# KiCad board FC_V5b.kicad_pcb (continued)
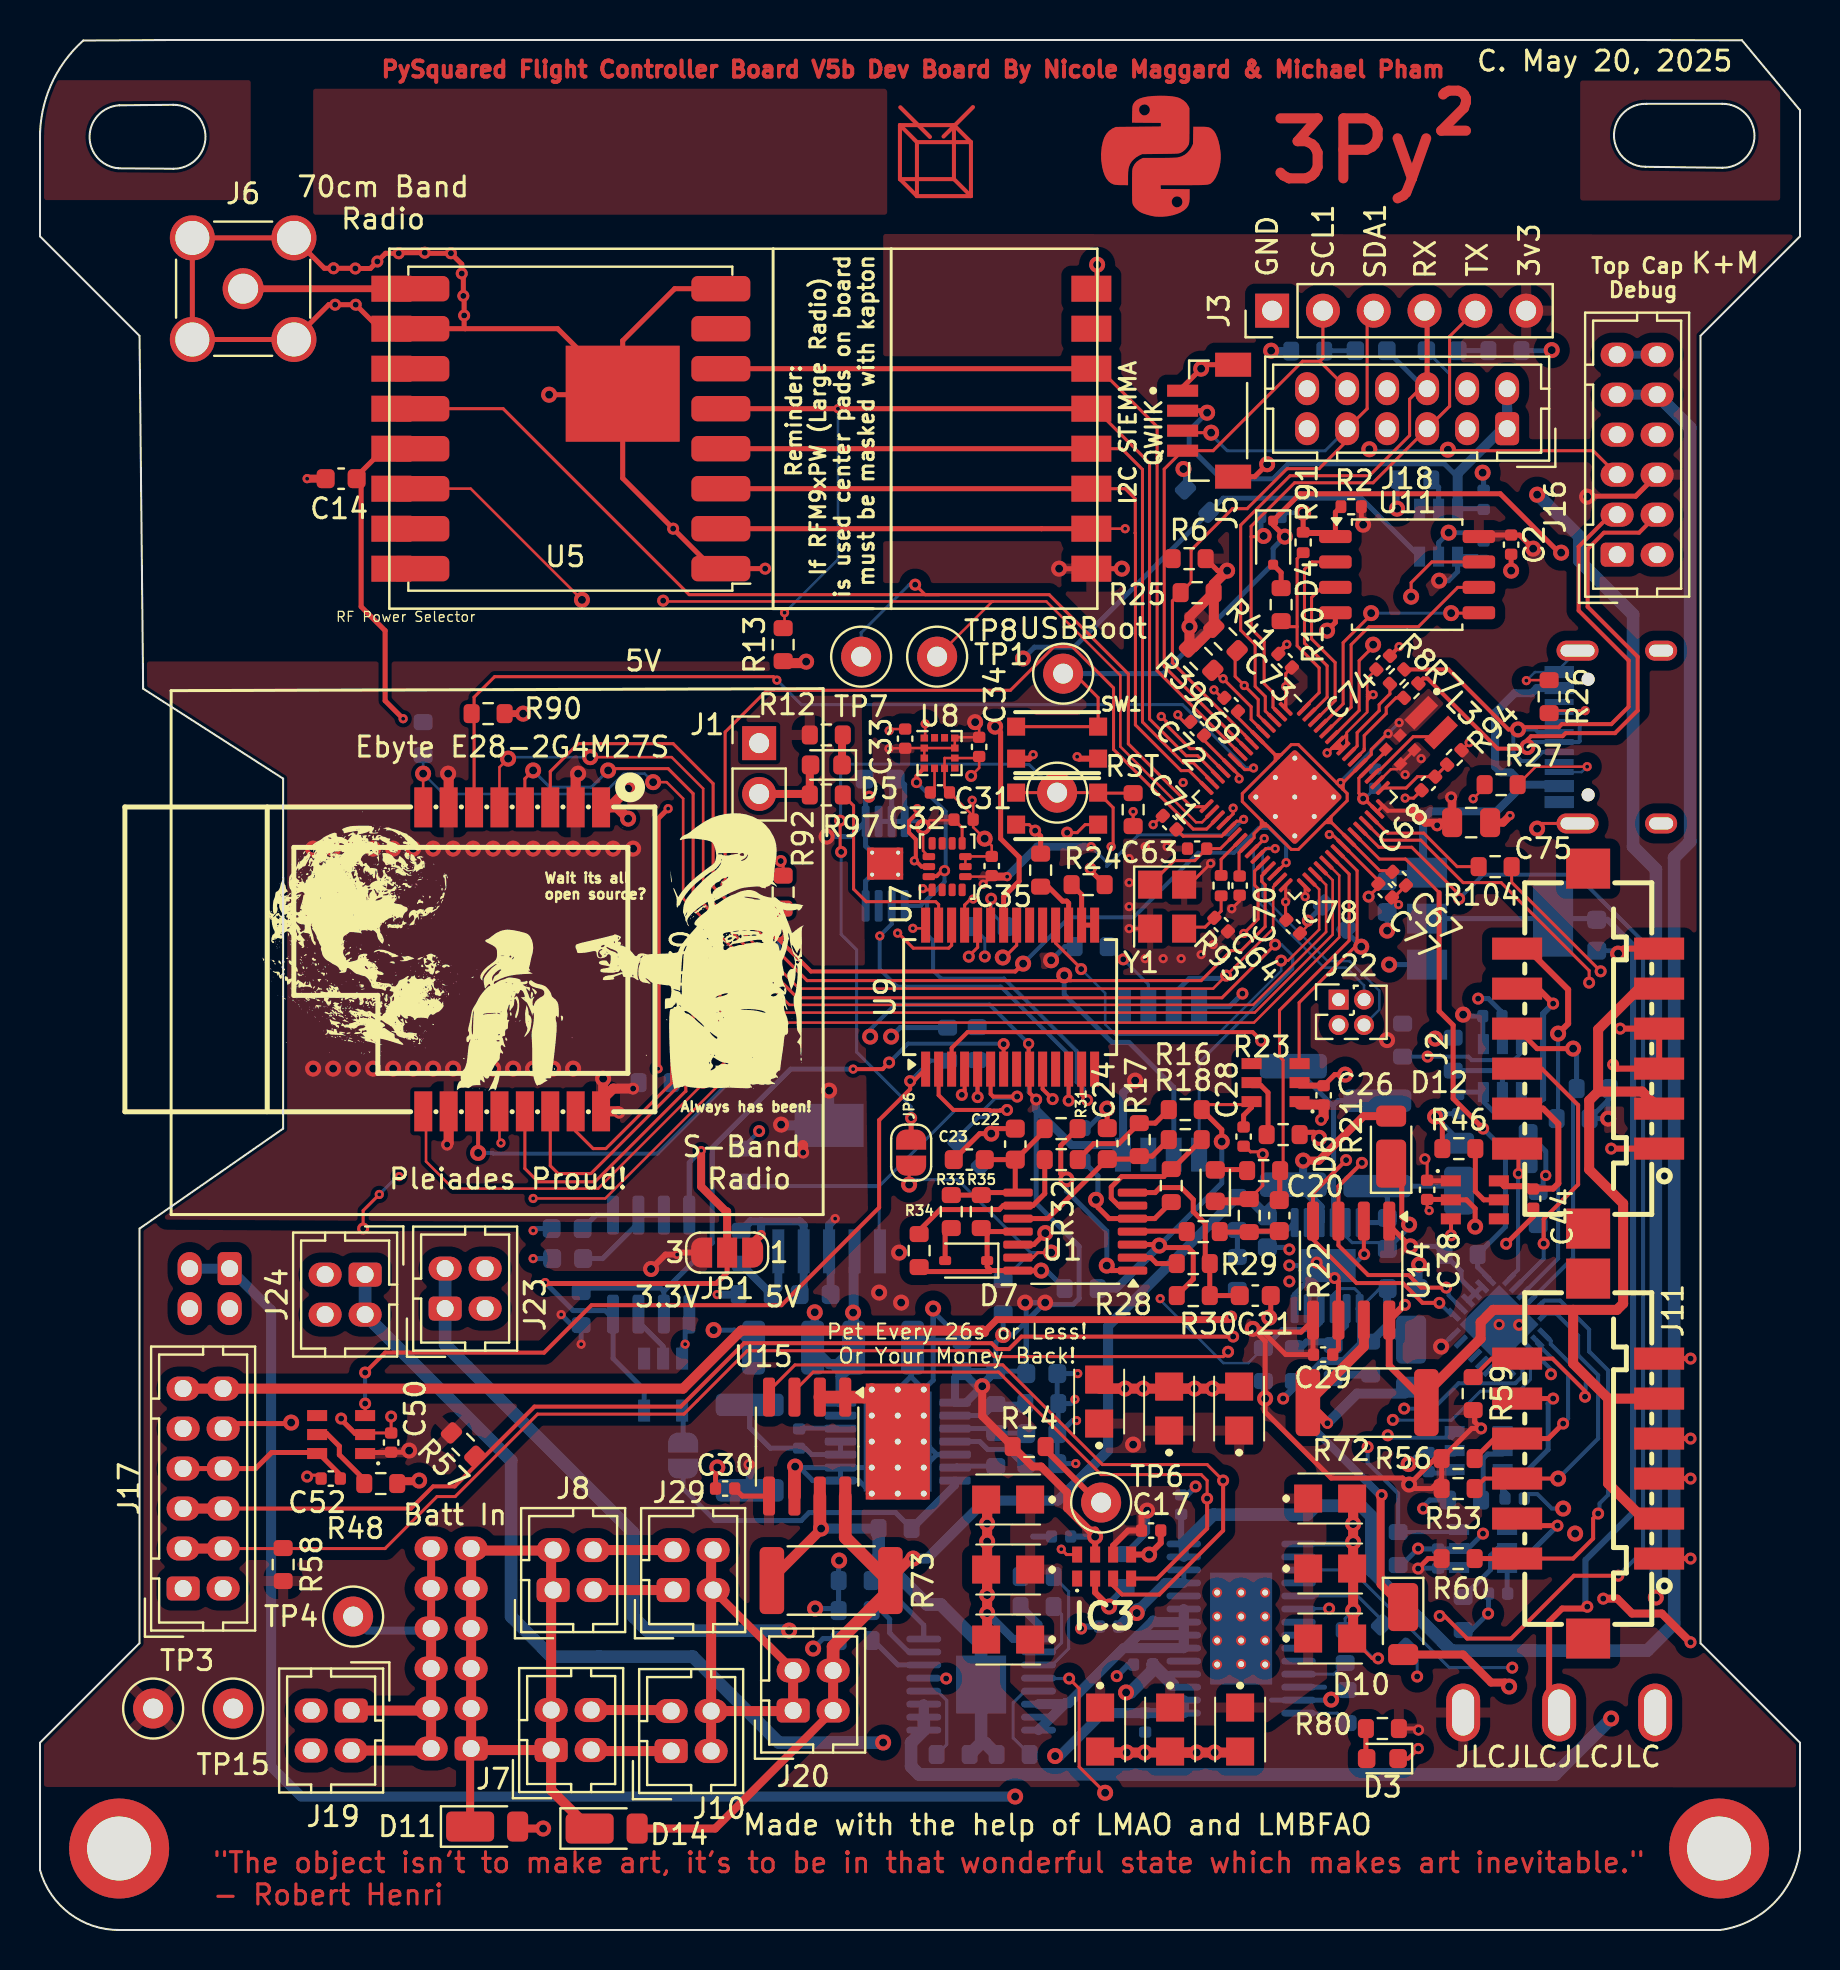
[diagram p0: board, top side]
## Routing (per net, layer and track width the routed paths; a pad name or vN(x,y) marks a point on that pad's centre or on a via; arc(x,y) is an arc through that point) (continued)
  Bottom w0.5: 73.36,76.07 J18.1 ; 73.36,76.07 73.36,75.3 70.88,72.83 U29.6 ; 73.36,76.07 J18.2
PAYLOAD_PWR_ENABLE: length 39.1
  Top w0.25: U9.22 48.18,51.67 48.96,52.45 48.96,53.65 48.03,54.57 48.03,59.9 v1(47.76,60.17)
  In1.Cu w0.25: v1(49.15,63.58) 47.76,62.18 v1(47.76,60.17)
  Bottom w0.25: U29.3 66.06,71.6 59.16,71.6 51.71,64.15 49.72,64.15 v1(49.15,63.58)
READONLY: length 10.5
  Top w0.152: R97.2 40.68,56.22 40.68,52.05 41.31,51.42 44.79,51.42 44.93,51.28 U9.27
RF1_ANT: length 8.8
  Top w0.3: U5.9 17.57,82.07 U4.1
  Top w0.342: J6.1 10.16,82.07 U4.1
RF1_IO0: length 54.2
  Top w0.127: 47.66,66.43 47.62,66.43 TP8.1 ; 47.66,66.43 31.2,66.43 v2(31.16,66.47) ; 47.66,66.43 50.32,66.43 54.02,62.73 54.02,59.18 57.8,55.39 58.1,55.39 58.6,55.89 ; v1(27.1,66.51) 21.54,72.07 U5.14 18.99,72.07 U4.6
  In2.Cu w0.127: v2(31.16,66.47) 31.12,66.51 v1(27.1,66.51)
RF1_IO4: length 57.3
  Top w0.127: U5.12 18.99,76.07 U4.4
  Top w0.152: 44.96,66.77 32.46,66.77 23.16,76.07 U5.12 ; 44.96,66.77 44.26,66.77 v2(43.76,67.27) ; 44.96,66.77 50.46,66.77 54.42,62.81 54.42,59.31 57.56,56.17 58.32,56.17
  Bottom w0.152: v2(43.76,67.27) 43.46,67.27 41.06,64.87 TP7.1
RF1_RST: length 41.1
  Top w0.152: U4.14 52.96,78.07 55.86,75.17 55.86,62.97 U18.9
  Top w0.25: U4.14 34.04,78.07 34.04,78.07
RF2_IO0: length 54.8
  Top w0.127: U30.12 22.97,39.43 v3(23.05,39.35) ; U18.35 64.96,52.73 64.96,49.64 60.7,45.37 37.06,45.37 28.26,36.58 v3(24.66,36.58)
  In2.Cu w0.127: v3(24.66,36.58) 23.16,38.08 23.16,39.25 v3(23.05,39.35)
RF2_IO1: length 34.6
  Top w0.152: v3(34,48.57) 34,44.16 32.29,42.46 32.29,41.94 32.27,41.94 27.75,37.42 24.91,37.42 24.24,38.08 U30.13 ; U9.26 45.58,49.24 45.43,49.1 43.66,49.1 42.91,49.85 v3(42.88,49.85)
  In2.Cu w0.152: v3(34,48.57) 34,48.78 35.74,50.52 42.28,50.52 42.88,49.92 v3(42.88,49.85)
RF2_IO2: length 34.6
  Top w0.152: v3(33.41,49.07) 33.41,44.07 31.94,42.6 31.94,42.22 27.55,37.82 25.91,37.82 25.51,38.22 U30.14 ; v3(46.66,51.55) 46.64,51.57 46.55,51.57 46.23,51.25 U9.25
  In2.Cu w0.152: v3(46.66,51.55) 46.66,51.33 46.65,51.32 35.65,51.32 v3(33.41,49.07)
RF2_IO3: length 58.4
  Top w0.152: v3(32.66,49.57) 32.66,45.57 31.58,44.5 31.58,42.36 28.3,39.07 27.66,39.07 26.78,39.95 U30.15 ; 58.88,55.61 58.33,55.05 57.66,55.05 53.68,59.03 53.68,62.11 51.61,64.17 50.7,64.17 48.52,61.99 36.35,61.99 34.26,59.9 v3(34.26,52.29)
  Bottom w0.152: v3(34.26,52.29) 34.26,51.42 32.66,49.82 v3(32.66,49.57)
RF2_RST: length 57.4
  Top w0.152: U18.28 61.74,52.81 v3(62.31,53.37)
  Top w0.2: U30.11 21.91,40.73 v1(21.91,38.86) ; v1(49.16,48.32) 48.76,47.93 38.55,47.93 36.94,49.54 v1(36.94,49.84) 36.94,50.86 R92.2
  Bottom w0.2: v1(49.16,48.32) 51.48,50.64 54.68,50.64 57.9,53.87 59.7,53.87 60.94,55.11 61.47,55.11 62.31,54.28 v3(62.31,53.37) ; v1(21.91,38.86) 22.62,38.86 22.66,38.82 30.87,38.82 36.94,44.89 v1(36.94,49.84)
RF2_RX_EN: length 61
  Top w0.127: U18.33 64.3,52.26 64.3,49.91 60.66,46.26 37.47,46.26 32.16,51.57 32.16,56.57 31.33,57.4 v1(30.66,57.4) ; U30.8 19.16,56.14 v1(19.16,57.82)
  Bottom w0.127: R96.1 v1(19.16,57.82) 20.17,56.81 28.17,56.81 29.19,57.82 30.23,57.82 v1(30.66,57.4)
RF2_TX_EN: length 58.9
  Top w0.127: U18.34 64.63,52.5 64.63,49.77 60.73,45.87 36.71,45.87 27.91,37.07 20.66,37.07 19.3,38.43 19.3,40.8 U30.9
  Bottom w0.152: R95.1 v2(33.16,42.37)
RF_VCC: length 79.9
  Top w0.25: v3(30.91,43.07) 30.91,55.57 v3(31.41,56.07) ; U5.13 17.57,74.07 U4.5 17.22,74.07 16.06,72.91 16.06,66.17 17.26,64.97 17.26,61.47 v3(18.16,60.57) ; v3(25.26,32.37) 25.3,32.33 33.81,32.33 34.36,32.87 JP1.2
  Top w0.4: v3(33.06,38.97) 33.06,37.17 34.3,35.93 34.36,35.93 JP1.2
  In2.Cu w0.25: v3(31.41,56.07) 31.41,57.67 28.98,60.1 18.63,60.1 v3(18.16,60.57) ; v3(33.06,38.97) 33.06,40.92 v3(30.91,43.07)
  Bottom w0.25: v3(25.26,32.37) 26.66,30.97 28.26,30.97 28.43,30.8 28.65,30.8 28.65,28.58 30.21,27.02 U20.5 ; U17.8 32.46,38.38 v3(33.06,38.97)
RTC_INT: length 81.9
  Top w0.152: U18.41 66.95,54.14 68.59,54.14 70.87,51.86
  Top w0.2: 70.81,51.92 70.96,51.77 v2(70.96,51.57) ; v2(69.98,15.7) 70.23,15.7 71.36,14.57 73.56,14.57 76.7,17.72 v2(78.91,17.72)
  Top w0.3: v1(53.46,16.17) 52.76,16.87 IC3.2
  In2.Cu w0.2: v1(53.46,16.17) 54.96,17.67 61.91,17.67 64.31,15.27 69.06,15.27 69.48,15.7 v2(69.98,15.7)
  Bottom w0.2: v2(70.96,51.57) 72.16,52.78 76.81,52.78 80.16,49.42 80.16,18.96 v2(78.91,17.72)
  Bottom w0.3: v1(53.46,16.17) 53.46,16.35 R5.1
RX: length 30.1
  Top w0.152: 69,77.07 68.48,76.55 68.48,74.73 66.47,72.72 62.5,72.72 60.03,70.25 60.03,65 60.76,64.27 60.76,62.19 61.26,61.68 61.26,60.96 U18.3
  Top w0.25: J3.4 69.36,80.84 J18.6
  Bottom w0.25: D2.2 69.24,77.07 J18.6
SCL0: length 45.9
  Top w0.152: 63.99,78.45 J18.10 ; 63.99,78.45 64.15,78.61 J3.2 ; 63.99,78.45 63.13,78.45 58.66,73.97 J5.4 56.21,73.05 56.21,63.18 U18.8
  In2.Cu w0.152: J18.10 66.86,78.57 75.06,78.57 J16.7
SCL1: length 134.9
  Top w0.127: R39.1 59.06,62.57 v3(59.16,62.57) ; v3(44.26,60.31) 44.26,59.65 U8.1
  Top w0.152: v3(59.16,62.57) 60.56,61.17 60.56,60.53 U18.5 ; 36.45,26.65 36.45,26.96 37.74,28.25 48.14,28.25 53.12,23.27 58.36,23.27 v2(59.16,22.47)
  Top w0.2: v3(43.72,53.47) 43.72,53.47 43.79,53.47 ; IC3.3 53.66,17.22 54.1,16.77 55.96,16.77 59.16,19.97 v2(59.16,22.47) ; v2(69.97,31.36) 69.13,31.36 68.14,32.35 65.83,32.35 63.65,34.53 U14.4 63.65,36.85 v2(65.31,38.5) ; v3(43.86,56.07) 43.86,55.86 43.45,55.45 43.45,54.87 43.79,54.54 43.79,53.47 ; 43.79,53.47 43.79,53.46 44.08,53.17 U7.13 ; v2(51.43,41.47) U9.12
  In1.Cu w0.2: v3(43.72,53.47) 43.46,53.21 43.46,51.27 42,49.82 42,49.72 v3(41.99,49.71)
  In2.Cu w0.127: v3(43.86,56.07) 43.86,56.45 42.93,57.37 42.93,58.99 v3(44.26,60.31) 45.45,61.51 55.09,61.51 56.15,62.57 v3(59.16,62.57)
  In2.Cu w0.2: v2(69.97,31.36) 68.81,30.2 68.81,25.3 65.88,22.37 59.26,22.37 v2(59.16,22.47) ; v2(65.31,38.5) 64.51,37.7 58.11,37.7 57.08,38.72 54.18,38.72 v2(51.43,41.47)
  Bottom w0.2: U16.2 42.58,50.3 v3(41.99,49.71) 41.99,48.04 42.86,47.17 48.04,47.17 51.43,43.78 v2(51.43,41.47) ; U12.19 70.55,30.77 v2(69.97,31.36)
SDA0: length 52.4
  Top w0.152: J3.3 66.36,80.64 66.36,76.07 J18.9 65.36,74.47 63.96,73.07 62.36,73.07 60.36,71.07 59.63,71.07 57.56,69 57.56,67.4 R25.1 56.62,66.46 56.62,63.37 60.23,59.76 60.23,59.76 60.59,59.4 U18.7 ; J5.3 57.23,74.87 v1(58.56,74.87) ; J16.5 77.66,73.97 70.45,73.97 v1(70.4,74.02)
  In2.Cu w0.152: v1(66.47,74.05) 65.44,75.07 J18.9
  Bottom w0.152: v1(58.56,74.87) 58.56,74.77 59.36,73.97 64.25,73.97 J18.9 ; v1(70.4,74.02) 70.35,73.97 66.54,73.97 v1(66.47,74.05)
SDA1: length 131.1
  Top w0.152: v2(58.36,21.57) 58.36,22.47 58.06,22.77 53.05,22.77 47.93,27.9 38.66,27.9 37.72,26.96 37.72,26.65 ; U18.4 60.91,60.75 60.91,61.53 59.76,62.69 59.76,63.87 R41.1
  Top w0.2: v2(66.09,38.36) 64.92,37.19 64.92,34.23 66.41,32.75 68.43,32.75 69.06,32.12 v2(70.31,32.12) ; U8.4 43.83,57.72 v4(43.83,57.38) ; U7.14 44.67,52.67 44.7,52.7 44.83,52.7 45.06,52.92 45.18,52.92 v4(45.23,52.97) ; IC3.4 55.86,17.57 58.36,20.07 v2(58.36,21.57) ; U9.13 52.08,41.77 v2(52.36,41.5)
  In2.Cu w0.152: v3(60.21,62.23) 59.49,61.51 57.62,61.51 57.06,62.07 56.74,62.07 55.74,61.07 46.06,61.07 43.83,58.84 v4(43.83,57.38)
  In2.Cu w0.2: v2(66.09,38.36) 66.09,39.33 63.64,41.78 52.63,41.78 v2(52.36,41.5) ; v2(58.36,21.57) 65.65,21.57 68.76,24.68 68.97,24.68 69.36,25.07 69.36,29.9 70.57,31.11 70.57,31.86 v2(70.31,32.12)
  Bottom w0.2: U12.20 70.43,31.74 70.43,32 v2(70.31,32.12) ; U16.1 44.03,51.21 45.23,52.41 ; v2(52.36,41.5) 52.21,41.65 52.21,42.02 51.83,42.4 51.83,43.95 48.21,47.58 45.06,47.58 44.66,47.97 44.66,49.47 44.36,49.77 44.36,51.54 45.23,52.41 ; v4(43.83,57.38) 45.28,55.93 45.28,53.03 v4(45.23,52.97) 45.23,52.41
SPI0_CS0: length 52.1
  Top w0.127: v3(37.23,65.87) 37.23,65.07
  Top w0.152: U4.13 52.76,76.07 55.48,73.35 55.48,60.55 57.31,58.72 57.88,58.72 58.89,57.7 U18.13
  Top w0.25: U4.13 v3(39.9,76.07) 34.04,76.07 34.04,76.07
  Bottom w0.127: v3(39.9,76.07) 39.9,68.54 v3(37.23,65.87)
SPI0_MISO: length 34.7
  Top w0.127: v3(54.26,70.07) U4.10
  Top w0.152: U18.12 58.06,59.07 57.5,59.07 56.31,60.27 56.31,60.44 v3(56.06,60.68)
  Top w0.25: 34.04,70.07 50.08,70.07 50.08,70.07 U4.10
  In1.Cu w0.127: v3(54.26,70.07) 55.96,68.37 55.96,60.87 56.06,60.76 v3(56.06,60.68)
SPI0_MOSI: length 37.1
  Top w0.152: U4.11 54.26,72.07 54.76,71.57 54.76,69.86 54.76,69.86 54.77,69.84 54.77,60.26 57.06,57.97 57.46,57.97 58.33,57.11 U18.15
  Top w0.25: 34.04,72.07 34.04,72.07 U4.11
SPI0_SCK: length 38.9
  Top w0.152: U18.14 58.61,57.42 57.66,58.37 57.16,58.37 55.12,60.41 55.12,73.04 54.09,74.07 U4.12
  Top w0.25: U4.12 34.04,74.07 34.04,74.07
SPI1_CS0: length 48
  Top w0.152: U30.6 21.7,61.65 22.73,62.67 36.67,62.67 v3(36.84,62.5) ; v3(60.68,58.11) 60.6,58.03 60.23,58.03 U18.10
  Bottom w0.152: v3(60.68,58.11) 60.29,58.11 57.13,61.27 38.07,61.27 v3(36.84,62.5)
SPI1_CS1: length 20.3
  Top w0.152: 59.17,55.32 59.66,55.81 v3(59.66,56.1)
  In2.Cu w0.152: v3(59.66,56.1) 55.55,56.1 54.57,55.12 52.77,55.12 51.66,54 51.66,51.04 v2(54.16,48.54)
  Bottom w0.152: U2.2 55.42,47.28 v2(54.16,48.54) 54.02,48.54 R11.1
SPI1_MISO: length 62.5
  Top w0.152: U30.3 25.51,57.93 26.91,59.32 31.66,59.32 33.66,57.32 33.66,52.17 38.36,47.47 51.56,47.47 ; U18.27 61.26,52.91 61.26,52.88 61.08,52.71 61.08,52.44 61.26,52.26 61.26,50.17 60.06,48.97 59.56,48.97 58.06,47.47 51.56,47.47 ; 51.56,47.47 51.48,47.47 v1(51.21,47.74)
  Bottom w0.25: v1(51.21,47.74) 51.21,46.78 53.61,44.38 54.45,44.38 56.69,42.14 U2.6
SPI1_MOSI: length 65.2
  Top w0.152: v1(28.41,57.98) 28.5,58.07 31.41,58.07 32.66,56.82 32.66,51.82 37.87,46.62 59.1,46.62 v2(61.76,49.27) ; U18.31 63.26,52.18 v3(63.26,51.67) ; v1(24.66,57.98) 24.24,57.57 U30.4
  In2.Cu w0.152: v2(61.76,49.27) 61.76,50.17 v3(63.26,51.67)
  Bottom w0.152: v1(24.66,57.98) 25.49,57.15 27.57,57.15 v1(28.41,57.98) ; U2.5 57.96,43.38 62.63,48.06 62.63,48.71 62.07,49.27 v2(61.76,49.27)
SPI1_SCK: length 56.2
  Top w0.127: 61.99,52.5 61.66,52.16 61.66,50.07 v2(59.31,47.72) 58.66,47.07 37.96,47.07 33.16,51.87 33.16,57.07 31.58,58.65 v1(27.51,58.65) ; U30.5 22.97,58.14 v1(23.41,58.57)
  Bottom w0.127: v1(27.51,58.65) 23.48,58.65 v1(23.41,58.57)
  Bottom w0.25: U2.3 56.69,46.81 57.47,47.58 59.17,47.58 v2(59.31,47.72)
SWCLK: length 12.1
  Top w0.152: v3(61.21,54.58) 61.21,54.57 61.15,54.51 61.15,54.5 U18.24
  Bottom w0.127: v3(61.21,54.58) 61.21,54.58 61.18,54.55 61.18,54.5 60.68,54 60.68,51.65 64.21,48.12 65.31,48.12 66.2,47.23 66.2,46.52
SWDIO: length 13.8
  Top w0.152: v3(61.76,54.07) 61.29,54.07 U18.25
  Bottom w0.127: 66.2,45.25 66.97,46.02 66.97,46.96 65.48,48.45 64.38,48.45 61.14,51.69 61.14,53.85 61.41,54.13 61.7,54.13 v3(61.76,54.07)
TX: length 34.2
  Top w0.152: U18.2 61.65,61.14 61.65,61.88 61.21,62.32 61.21,64.42 60.56,65.07 60.56,69.67 ; J3.5 70.48,79.69 70.48,76.2 J18.5 66.65,72.37 62.73,72.37 60.56,70.2 60.56,69.67 ; v1(61.18,69.71) 61.14,69.67 60.56,69.67
  Bottom w0.152: J18.5 70.48,76.2 70.48,77.81 D1.2
  Bottom w0.25: v1(61.18,69.71) 61.05,69.85 R9.1
USB_D+: length 30.6
  Top w0.2: J16.3 78.53,70.77 76.93,69.17 76.93,65.98 79.43,63.48 79.43,61.17 78.56,60.3 76.1,60.3 75.94,60.15 74.17,60.15 74.05,60.03 v1(73.9,60.03) 73.42,60.03 70.42,63.04 R8.2
  Bottom w0.2: J12.A6 74.89,59.9 74.76,60.03 v1(73.9,60.03) 73.67,59.81 73.67,58.86 74.08,58.45 74.66,58.45 75.11,58.9 J12.B6
USB_D-: length 31.5
  Top w0.2: J16.4 79.96,69.87 78.2,69.87 77.38,69.06 77.38,66.17 79.88,63.67 79.88,60.98 78.75,59.85 76.28,59.85 76.13,59.7 74.55,59.7 74.37,59.51 v1(74.37,59.15) 74.29,59.07 72.88,59.07 69.37,62.59 69.17,62.59 R7.2
  Bottom w0.2: J12.B7 76.94,60.4 76.99,60.35 76.99,59.45 76.94,59.4 J12.A7 74.62,59.4 v1(74.37,59.15)
USB_DM: length 4.3
  Top w0.152: U18.51 66.21,59 66.21,59.73 67.31,60.83 67.31,61.13 67.8,61.61 R7.1
USB_DP: length 4.4
  Top w0.152: R8.1 67.5,61.81 66.96,61.27 66.96,60.97 65.86,59.87 65.86,59.21 U18.52
USBBOOT: length 42
  Top w0.152: 51.46,63.07 52.91,61.62 SW1.A SW1.A'
  Top w0.25: v1(62.24,69.68) 61.66,70.26 D4.1 63,71.82 73.01,71.82 75.96,68.87 v1(76.06,68.87)
  In2.Cu w0.25: J16.1 78.76,68.87 v1(76.06,68.87)
  Bottom w0.25: v1(62.24,69.68) 61.66,69.09 61.66,68.33 56.15,62.82 TP1.1
V_BACKUP: length 9.5
  Top w0.3: v1(55.36,20.97) 55.08,20.69 C17.1 54.4,19.97 53.66,19.23 IC3.6
  In2.Cu w0.3: v1(54.66,24.27) 55.36,23.57 v1(55.36,20.97)
  Bottom w0.3: v1(55.36,20.97) 55.36,19.9 54.26,18.8
V_RBF: length 21.8
  Top w0.4: J20.3 37.66,13 J29.2
  Top w0.5: J10.4 33.56,19 ; J10.4 J10.2 ; J10.4 37.63,10.95 J20.1 J20.3
VSOLAR: length 118.8
  Top w0.342: R72.2 67.46,28.23 67.46,30.5 68.22,31.26 v2(68.25,31.26) ; 47.21,29.9 47.84,30.52 59.41,30.52 v2(59.56,30.67)
  Top w0.5: 76.66,31.01 78.84,31.01 79.16,31.32 79.16,36.33 77.46,38.03 77.46,41.48 77.91,41.93 ; 76.66,31.01 76.66,28.32 78.41,26.57 ; 76.66,31.01 72.66,31.01 72.03,30.38 72.03,29.57 69.52,27.06 69.52,26.58 R72.2 ; 77.91,41.93 80.1,41.93 J2.3 ; 77.91,41.93 77.91,45.04 79.94,47.07 J2.9 ; 47.21,29.9 47.13,29.97 35.06,29.97 32.16,27.07 J17.12 J17.11 ; 78.41,26.57 78.41,22.32 80.16,20.57 J11.3 ; 78.41,26.57 J11.9
  In2.Cu w0.342: v2(68.25,31.26) 68.11,31.4 60.28,31.4 v2(59.56,30.67)
VSOLAR_I: length 11.7
  Top w0.5: v4(64.37,25.34) 63.39,26.32 R72.1 66.19,29.17 66.19,30.5
  Bottom w0.5: v4(64.37,25.34) 65.86,26.83 68.23,26.83 68.56,27.15
WDT_BIAS: length 22
  Top w0.152: R16.1 58.34,41.27 60.58,41.27
  Top w0.25: 60.58,41.27 60.58,41.13 60.18,40.74 60.18,40.22 ; R30.1 57.66,32.55 57.66,33.87 57.41,34.12 56.06,34.12 v1(55.96,34.22) 55.91,34.27 U1.3 ; R16.1 59.09,40.02 v1(59.09,39.42)
  Bottom w0.25: v1(55.96,34.22) 59.09,37.35 v1(59.09,39.42)
  Bottom w0.4: R36.2 53.81,32.07 v1(55.96,34.22)
WDT_ENABLE: length 14
  Top w0.152: v1(66.06,49.17) 65.85,49.38 65.85,49.47 ; 62.96,43.19 62.96,46.37 65.85,49.27 65.85,49.47 ; 65.85,49.47 65.85,52.97 U18.37
  Bottom w0.25: v1(66.06,49.17) 65.34,49.89 R86.2
WDT_WDI: length 19.1
  Top w0.152: 61.99,38.02 62.16,38.19 62.16,43.49 61.97,43.68 61.97,45.99 65.46,49.47 65.46,52.8 U18.36
  Top w0.25: 61.96,36.5 61.99,36.52 61.99,38.02
~{CHARGE}: length 40.5
  Top w0.127: U9.28 44.12,50.09 v3(43.64,50.09)
  In2.Cu w0.127: v3(43.64,50.09) 48.33,50.09 49.82,48.6 49.82,48.05 47.62,45.85 47.62,40.94 48.29,40.27 48.29,38.89 52.21,34.97 53.56,34.97 56.01,32.52 v3(56.01,31.57)
  Bottom w0.127: v3(56.01,31.57) 56.01,31.51 59.17,28.35 60.42,28.35 R70.2
  Bottom w0.25: IC6.4 64.03,30.37 63.68,30.02 62.11,30.02 61.47,29.38 61.47,29.1
~{GPIO_EXPANDER_RESET}: length 22.1
  Top w0.127: U18.32 63.96,52.04 63.96,50.03 62.41,48.47 v2(62.06,48.47)
  Top w0.152: v2(52.06,48.05) 52.06,48.07 50.78,49.35 U9.18
  Bottom w0.127: v2(62.06,48.47) 62.06,47.96 58.87,44.77 53.77,44.77 53.26,45.29 53.26,46.85 v2(52.06,48.05)
~{MUX_RESET}: length 27
  Top w0.152: U18.40 66.97,53.55 68.28,53.55 69.96,51.87
  Top w0.25: 69.96,51.87 69.96,45.95 70.66,45.25 70.66,41.57 v2(72.16,40.07)
  Bottom w0.25: U12.24 72.46,32.57 71.88,33.15 R15.2 73.27,35.17 73.27,38.96 v2(72.16,40.07)
Net-(C20-Pad2): length 3
  Top w0.25: R28.1 59.01,34.9 R22.1 60.51,34.95 C20.2
Net-(C64-Pad1): length 2.4
  Top w0.152: R93.2 59.06,50.95 58.25,50.15 57.73,50.15
Net-(D1-K): length 1.5
  Bottom w0.25: D1.1 R4.1
Net-(D2-K): length 1.6
  Bottom w0.25: R3.1 64.23,78.97 65.76,78.97
Net-(D3-A): length 1.5
  Top w0.25: R80.2 66.29,8.61 D3.2
Net-(D4-A): length 1.3
  Top w0.25: D4.2 62.06,67.87 R10.2
Net-(D5-A): length 3.9
  Top w0.4: J1.2 38.44,56.81 ; R97.1 38.49,58.22
Net-(D5-K): length 1.5
  Top w0.4: D5.1 40.1,59.72
Net-(D6-A): length 1.5
  Top w0.25: 60.34,38.02 58.85,38.02
Net-(D7-Pad2): length 1.8
  Top w0.25: R33.1 45.26,34.79 D7.2
Net-(D10-K): length 28.3
  Top w0.4: 68.16,16.15 67.03,17.27 67.03,21.7 v2(67.08,21.75)
  Bottom w0.152: C40.1 66.98,32.07 IC6.1 65.98,31.82 65.72,32.07 64.96,32.07 64.68,31.8 IC6.3
  Bottom w0.4: 67.36,30.22 67.36,32.05 C40.1 ; 67.36,30.22 66.66,29.52 66.18,29.52 66.06,29.4 ; 67.36,30.22 68.06,29.52 D9.1 ; v2(67.08,21.75) 67,21.75 63.69,25.06 63.69,27.96 64.18,28.45 65.19,28.45 66.06,29.32 66.06,29.4 ; 66.06,29.4 66.06,31 IC6.1
Net-(D12-K): length 8.1
  Top w0.25: D12.1 68.09,37.79 68.09,35.64 v1(68.46,35.27)
  Bottom w0.152: IC6.11 65.33,34.65 65.61,34.37 67.05,34.37 C41.2
  Bottom w0.25: v1(68.46,35.27) 68.46,35.15 C41.2
Net-(D13-K): length 7.5
  Bottom w0.25: IC6.12 67.13,35.37 C41.1 67.37,36.7 L2.1 70.74,37.2 D13.1
Net-(IC3-EVI): length 8.1
  Top w0.152: v3(51.06,19.04) 51.33,18.77 IC3.8
  Top w0.3: R14.1 50.28,24.01 52.92,21.37 TP6.1
  In2.Cu w0.152: TP6.1 51.06,19.38 v3(51.06,19.04)
Net-(IC6-SENSE): length 11.3
  Bottom w0.25: 67.17,41.47 64.9,41.47 64.65,41.21 ; 64.65,41.21 64.68,41.18 IC6.10 ; 64.65,41.21 R75.2
Net-(IC6-VFB): length 4.4
  Bottom w0.25: R71.1 R74.2 ; 59.87,34.91 62.27,34.91 IC6.7
Net-(IC6-VIN_REG): length 3.8
  Bottom w0.25: 64.52,29.26 64.52,29.41 65.33,30.22 IC6.2
  Bottom w0.342: 64.52,29.41 63.32,29.41 63.02,29.1
Net-(J10-Pin_1): length 4
  Top w0.5: J7.2 27.61,8.95 J10.1
Net-(J10-Pin_3): length 4
  Top w0.5: J7.4 31.51,11 J10.3
Net-(J12-CC1): length 3.2
  Top w0.127: 75.46,60.85 75.58,60.97 v3(77.26,60.97)
  Bottom w0.127: J12.A5 76.03,60.97 v3(77.26,60.97)
Net-(J12-CC2): length 5.4
  Top w0.127: R27.2 74.78,58.17 v3(77.36,58.17)
  Bottom w0.127: v3(77.36,58.17) 77.09,57.9 J12.B5
Net-(J29-Pin_1): length 4
  Top w0.5: 27.56,17 31.56,17
Net-(J29-Pin_3): length 4
  Top w0.5: 31.56,19 27.56,19
Net-(JP2-A): length 1.6
  Bottom w0.25: JP2.1 32.16,25.92 U20.4
Net-(JP2-B): length 16.9
  Bottom w0.25: R124.2 42.78,20.88 38.46,20.88 38.06,20.47 33.76,20.47 32.16,22.07 JP2.2
  Bottom w0.4: U10.7 45.75,22.24 R124.2
Net-(JP6-A): length 13.4
  Top w0.152: U1.13 49.64,33.62 49.89,33.87 v1(50.56,33.87) ; v1(43.46,37.27) 43.46,38.12 JP6.1
  Bottom w0.152: v1(43.46,37.27) 43.7,37.52 45.88,37.52 49.53,33.87 ; 49.53,33.87 R37.1 ; 49.53,33.87 v1(50.56,33.87)
Net-(R16-Pad2): length 5.6
  Top w0.25: R32.2 52.69,39.32 53.94,39.32 R17.1 55.76,40.35 R16.2
Net-(R29-Pad1): length 2.3
  Top w0.25: R29.1 55.84,33.32 55.54,33.62 U1.2
Net-(R31-Pad1): length 9.5
  Top w0.25: v1(53.34,33.22) 53.59,32.97 U1.1 ; v1(51.32,37.53) 51.04,37.82 51.04,39.23 R31.1
  Bottom w0.25: v1(53.34,33.22) 53.34,34.95 51.32,36.96 v1(51.32,37.53)
Net-(R65-Pad2): length 1.9
  Bottom w0.4: R66.1 64.83,27.77 R65.2
Net-(U1A--): length 2.7
  Top w0.25: R28.2 57.31,34.95 54.65,34.95 U1.4
Net-(U1B-+): length 9.9
  Top w0.25: 59.89,31.72 R30.2 R29.2 58.26,33.55 58.26,35.32 57.66,35.92 57.66,36.52 57.06,37.13 56.01,37.13 55.76,36.87 U1.7
Net-(U1B--): length 7.3
  Top w0.25: R18.2 56.61,38.05 R19.1 56.19,37.67 54.08,37.67 53.56,37.15 53.56,36.6 53.93,36.22 U1.6
Net-(U1C-+): length 8.9
  Top w0.25: R32.1 50.24,36.82 49.64,36.22 U1.9 48.16,36.22 47.96,36.02 45.01,36.02 43.96,34.97 43.96,34.8
Net-(U1C--): length 8.7
  Top w0.25: C22.2 48.76,37.01 U1.8 47.19,36.87 R35.2 R33.2 ; C22.2 48.79,38.52 50.26,40 ; C22.2 C23.2
Net-(U1D-+): length 12
  Top w0.25: U1.11 47.24,34.92 R35.1 47.36,34.81 D7.1 47.36,33.17 47.56,32.97 ; R34.2 44.18,32.92 47.51,32.92 47.56,32.97 ; 47.56,32.97 U1.14 v1(50.06,32.97)
  Bottom w0.25: v1(50.06,32.97) 50.33,32.97 R36.1
Net-(U1D--): length 9.2
  Top w0.25: U1.10 50.39,35.57 C24.2 54.81,38.55 R17.2 55.61,38.7 R18.1
Net-(U3-ILIM): length 3
  Top w0.25: 60.58,42.22 61.05,42.22 61.4,41.87 61.4,39.98 61.31,39.89
Net-(U6-CL): length 2.6
  Bottom w0.152: R102.1 64.7,12.79 U6.11
Net-(U6-DIAG_EN): length 2.6
  Bottom w0.152: R101.1 64.86,10.84 U6.14
Net-(U8-C1): length 1.3
  Top w0.127: C31.1 44.73,57.09 U8.5
Net-(U9-A0): length 2.9
  Top w0.25: R24.2 52.08,51.77 U9.16 U9.15
Net-(U9-A2): length 2.8
  Top w0.25: U9.17 51.43,51.35 51.33,51.45 51.13,51.45 50.41,52.17 R52.2
Net-(U10-PG): length 2.1
  Bottom w0.25: R43.1 45.83,23.2 U10.6
Net-(U10-SS): length 4
  Bottom w0.25: C36.1 49.09,23.32 48.39,24.02 47.39,24.02 46.99,24.42 U10.4
Net-(U10-SW1): length 6.9
  Bottom w0.25: U10.11 U10.10 38.58,23.77 38.26,24.09 36.52,24.09 35.49,25.12 L1.1
Net-(U10-VBST): length 1.8
  Bottom w0.25: 38.19,25.1 40,25.1 U10.12
Net-(U10-VFB): length 3.8
  Bottom w0.25: R40.2 49.24,26.3 R38.1 47.21,25.72 U10.2
Net-(U10-VREG5): length 3.7
  Bottom w0.25: C37.1 49.29,24.85 R43.2 47.56,25.07 U10.3
Net-(U13-SENSE/ADJ): length 4.5
  Bottom w0.4: R63.2 35.06,33.3 R64.1 36.92,32.11 U13.5
Net-(U17-CV): length 1.8
  Bottom w0.25: C46.1 27.81,35.75 U17.5
Net-(U17-DIS): length 5.2
  Bottom w0.25: C45.1 28.13,33.57 29.92,35.37 29.92,35.75 U17.7
Net-(U17-Q): length 2.7
  Bottom w0.25: U20.2 31.16,29.18 29.92,30.42 29.92,30.8
Net-(U19-ILIM): length 3.3
  Top w0.25: 71.77,38.91 71.77,36.94 72.19,36.51 U19.5
Net-(U21-ILIM): length 3.3
  Bottom w0.25: U21.5 73.12,42.65 72.79,42.97 70.72,42.97
Net-(U22-ILIM): length 3.6
  Bottom w0.25: R47.2 72.53,18.02 72.53,18.73 72.88,19.07 U22.5
Net-(U23-ILIM): length 3.6
  Top w0.25: 13.86,24.83 14.33,24.83 14.97,24.19 14.97,23.76 16.21,22.52 16.21,22.44
Net-(U24-ILIM): length 3.1
  Bottom w0.25: 73.13,23.8 72.38,23.8 72.16,23.57 72.16,21.5
Net-(U25-DIA_EN): length 4.2
  Bottom w0.25: U25.16 44.19,15.24 41.96,17.47 R55.1
Net-(U25-LATCH): length 5.8
  Bottom w0.152: U25.3 50.61,13.25 51.43,14.07 51.43,16.92 R54.2
Net-(U25-SEL1): length 3.2
  Bottom w0.25: U25.14 42.9,13.25 41.58,14.57
Net-(U25-SEL2): length 3.9
  Bottom w0.25: U25.15 43.43,13.9 42.48,14.85 42.48,15.55 41.96,16.07 41.58,16.07
Net-(U25-SNS): length 3.3
  Bottom w0.152: R81.1 51.08,15.78 51.08,14.37 50.61,13.9 U25.2
Net-(U29-ILIM): length 1.6
  Bottom w0.25: R50.2 69.93,72.15 U29.5

## Copper pours and planes (outline as drawn; the poured copper is in the pictures)
3.3V on Top: -3.35,84.83 90.01,84.78 90.01,8 88.58,7.13 -3.37,7.16 -3.35,7.17
3.3V on In2.Cu: -3.35,96.87 89.78,96.87 89.78,-1.77 88.65,-2.9 2.38,-2.9 -3.42,2.9 -3.42,96.8
+1V1 on Top: 69.51,62.22 67.16,59.87 67.96,59.07 70.31,61.42
GND on Top: 54.16,54.57 54.16,47.47 61.16,47.47 61.16,54.57
GND on Top: 68.76,59.57 67.46,58.27 68.26,57.47 69.56,58.77
GND on Top: -3.46,63.43 -3.34,35.57 41.41,35.32 41.06,63.67
GND on Bottom: 63.07,30.23 62.17,30.23 62.17,34.33 66.67,34.33 66.67,32.13 63.07,32.13
GND on Bottom: -3.27,84.8 89.63,84.8 89.63,7.96 88.8,7.13 -0.18,7.13 -3.5,10.45 -3.5,84.57
GND on In1.Cu: -3.57,96.94 90.01,96.94 90.01,-2.52 89.78,-2.75 2.84,-2.75 -3.57,3.66
VBUSP on Bottom: 37.66,31.07 37.66,25.57 41.66,25.57 41.66,31.07
(no net) on Top: 10.54,86.5 0.04,86.5 0.04,92.5 10.54,92.5
(no net) on Top: 87.01,86.48 77.01,86.48 77.01,92.48 87.01,92.48
(no net) on Top: 13.66,92.07 13.66,85.77 42.36,85.77 42.36,91.97 42.26,92.07
PAYLOAD_BATT on Bottom: 56.51,-6.81 56.51,-4.91 59.51,-4.91 59.51,-6.81
V_BACKUP on Top: 64.31,22.97 64.36,12.57 61.16,10.22 50.76,10.22 48.51,12.37 48.51,22.77 51.26,25.87 61.26,25.87

## Text on the board
B.Silkscreen: USB PWR ON | USB PWR OFF | Address | 0x18 / 0x77 / 0x6B / 0x1E / 0x52 / 0x40 / 0x41 / 0x20 | MCP9808 / TCA9548A / LSM6DSO / LSM303AGR / RV3028 / INA219-Sys / INA219-Sol / MCP23017SS | Hubble Space Telescope / Nebulosity in The Pleiades | I2C Devices
Top: PySquared Flight Controller Board V5b Dev Board By Nicole Maggard & Michael Pham | {dblquote}The object isn't to make art, it's to be in that wonderful state which makes art inevitable.{dblquote} / - Robert Henri | 2 | 3Py
F.Mask: PySquared Flight Controller Board V5b Dev Board By Nicole Maggard & Michael Pham | {dblquote}The object isn't to make art, it's to be in that wonderful state which makes art inevitable.{dblquote} / - Robert Henri | 2 | 3Py
F.Silkscreen: RF Power Selector | Wait its all / open source? | Always has been! | Pet Every 26s or Less! / Or Your Money Back! | Top Cap / Debug | Reminder: / If RFM9xPW (Large Radio) / is used center pads on board / must be masked with kapton | I2C STEMMA / QWIIK | Ebyte E28-2G4M27S | Pleiades Proud! | Batt In | 5V | 3.3V | Made with the help of LMAO and LMBFAO | USBBoot | RST | JLCJLCJLCJLC | C. May 20, 2025 | 70cm Band / Radio | S-Band / Radio | K+M | GND | SCL1 | SDA1 | RX | TX | 3v3
